# KiCad board Scan_Head_Set-Relay_board-19.01.2023_Copy.kicad_pcb (continued)
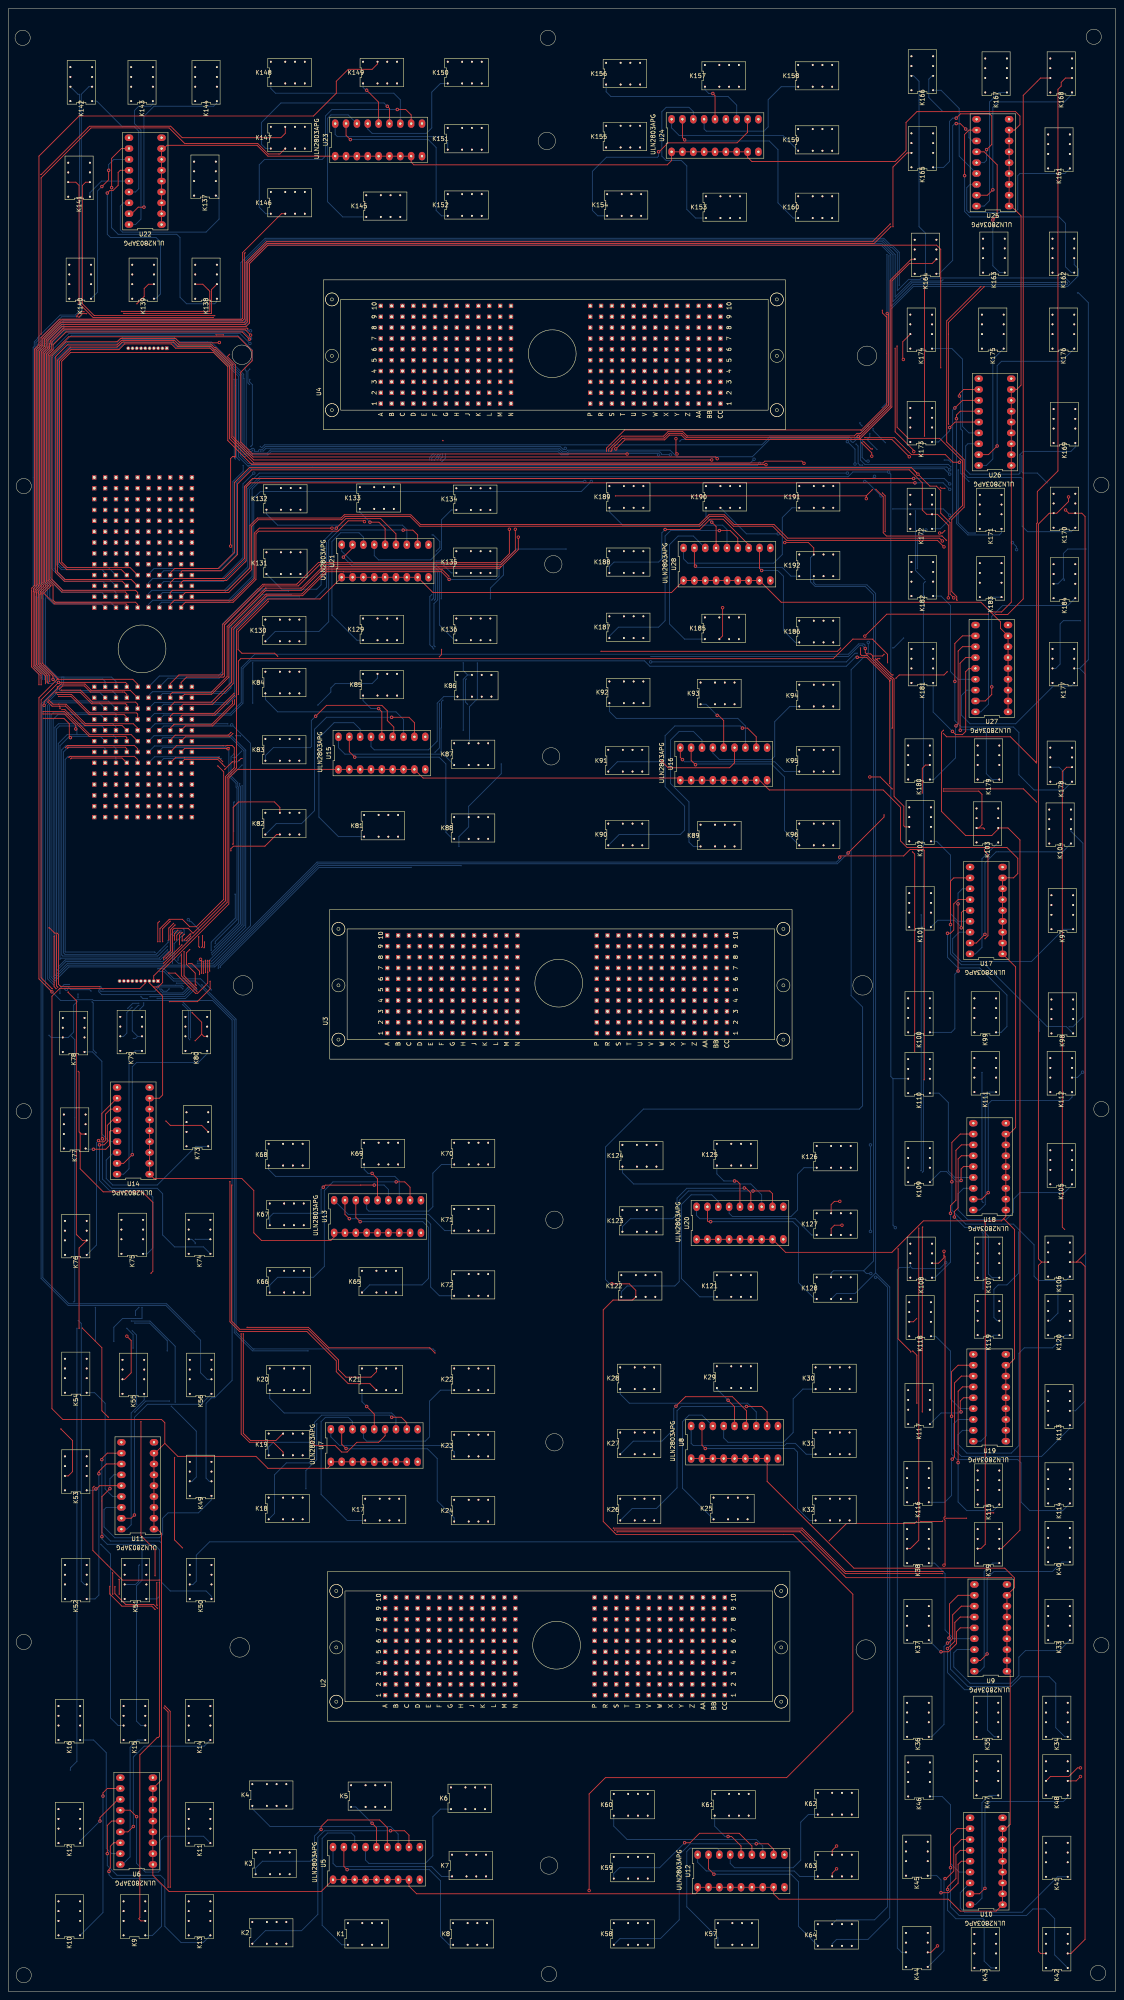
[diagram p0: board, top side]
## Nets
+12V: J1.5 J1.6 J1.7 J1.8 J1.9 J1.10 K1.A2 K2.A2 K3.A2 K4.A2 K5.A2 K6.A2 K7.A2 K8.A2 K9.A2 K10.A2 K11.A2 K12.A2 K13.A2 K14.A2 K15.A2 K16.A2 K17.A2 K18.A2 K19.A2 K20.A2 K21.A2 K22.A2 K23.A2 K24.A2 K25.A2 K26.A2 K27.A2 K28.A2 K29.A2 K30.A2 K31.A2 K32.A2 K33.A2 K34.A2 K35.A2 K36.A2 K37.A2 K38.A2 K39.A2 K40.A2 K41.A2 K42.A2 K43.A2 K44.A2 K45.A2 K46.A2 K47.A2 K48.A2 K49.A2 K50.A2 K51.A2 K52.A2 K53.A2 K54.A2 K55.A2 K56.A2 K57.A2 K58.A2 K59.A2 K60.A2 K61.A2 K62.A2 K63.A2 K64.A2 K65.A2 K66.A2 K67.A2 K68.A2 K69.A2 K70.A2 K71.A2 K72.A2 K73.A2 K74.A2 K75.A2 K76.A2 K77.A2 K78.A2 K79.A2 K80.A2 K81.A2 K82.A2 K83.A2 K84.A2 K85.A2 K86.A2 K87.A2 K88.A2 K89.A2 K90.A2 K91.A2 K92.A2 K93.A2 K94.A2 K95.A2 K96.A2 K97.A2 K98.A2 K99.A2 K100.A2 K101.A2 K102.A2 K103.A2 K104.A2 K105.A2 K106.A2 K107.A2 K108.A2 K109.A2 K110.A2 K111.A2 K112.A2 K113.A2 K114.A2 K115.A2 K116.A2 K117.A2 K118.A2 K119.A2 K120.A2 K121.A2 K122.A2 K123.A2 K124.A2 K125.A2 K126.A2 K127.A2 K128.A2 K129.A2 K130.A2 K131.A2 K132.A2 K133.A2 K134.A2 K135.A2 K136.A2 K137.A2 K138.A2 K139.A2 K140.A2 K141.A2 K142.A2 K143.A2 K144.A2 K145.A2 K146.A2 K147.A2 K148.A2 K149.A2 K150.A2 K151.A2 K152.A2 K153.A2 K154.A2 K155.A2 K156.A2 K157.A2 K158.A2 K159.A2 K160.A2 K161.A2 K162.A2 K163.A2 K164.A2 K165.A2 K166.A2 K167.A2 K168.A2 K169.A2 K170.A2 K171.A2 K172.A2 K173.A2 K174.A2 K175.A2 K176.A2 K177.A2 K178.A2 K179.A2 K180.A2 K181.A2 K182.A2 K183.A2 K184.A2 K185.A2 K186.A2 K187.A2 K188.A2 K189.A2 K190.A2 K191.A2 K192.A2 U5.10 U6.10 U7.10 U8.10 U9.10 U10.10 U11.10 U12.10 U13.10 U14.10 U15.10 U16.10 U17.10 U18.10 U19.10 U20.10 U21.10 U22.10 U23.10 U24.10 U25.10 U26.10 U27.10 U28.10
AGND: J2.6 J2.7 J2.8 J2.9 J2.10 K1.12 K1.22 K2.12 K2.22 K3.12 K3.22 K4.12 K4.22 K5.12 K5.22 K6.12 K6.22 K7.12 K7.22 K8.12 K8.22 K9.12 K9.22 K10.12 K10.22 K11.12 K11.22 K12.12 K12.22 K13.12 K13.22 K14.12 K14.22 K15.12 K15.22 K16.12 K16.22 K17.12 K17.22 K18.12 K18.22 K19.12 K19.22 K20.12 K20.22 K21.12 K21.22 K22.12 K22.22 K23.12 K23.22 K24.12 K24.22 K25.12 K25.22 K26.12 K26.22 K27.12 K27.22 K28.12 K28.22 K29.12 K29.22 K30.12 K30.22 K31.12 K31.22 K32.12 K32.22 K33.12 K33.22 K34.12 K34.22 K35.12 K35.22 K36.12 K36.22 K37.12 K37.22 K38.12 K38.22 K39.12 K39.22 K40.12 K40.22 K41.12 K41.22 K42.12 K42.22 K43.12 K43.22 K44.12 K44.22 K45.12 K45.22 K46.12 K46.22 K47.12 K47.22 K48.12 K48.22 K49.12 K49.22 K50.12 K50.22 K51.12 K51.22 K52.12 K52.22 K53.12 K53.22 K54.12 K54.22 K55.12 K55.22 K56.12 K56.22 K57.12 K57.22 K58.12 K58.22 K59.12 K59.22 K60.12 K60.22 K61.12 K61.22 K62.12 K62.22 K63.12 K63.22 K64.12 K64.22 K65.12 K65.22 K66.12 K66.22 K67.12 K67.22 K68.12 K68.22 K69.12 K69.22 K70.12 K70.22 K71.12 K71.22 K72.12 K72.22 K73.12 K73.22 K74.12 K74.22 K75.12 K75.22 K76.12 K76.22 K77.12 K77.22 K78.12 K78.22 K79.12 K79.22 K80.12 K80.22 K81.12 K81.22 K82.12 K82.22 K83.12 K83.22 K84.12 K84.22 K85.12 K85.22 K86.12 K86.22 K87.12 K87.22 K88.12 K88.22 K89.12 K89.22 K90.12 K90.22 K91.12 K91.22 K92.12 K92.22 K93.12 K93.22 K94.12 K94.22 K95.12 K95.22 K96.12 K96.22 K97.12 K97.22 K98.12 K98.22 K99.12 K99.22 K100.12 K100.22 K101.12 K101.22 K102.12 K102.22 K103.12 K103.22 K104.12 K104.22 K105.12 K105.22 K106.12 K106.22 K107.12 K107.22 K108.12 K108.22 K109.12 K109.22 K110.12 K110.22 K111.12 K111.22 K112.12 K112.22 K113.12 K113.22 K114.12 K114.22 K115.12 K115.22 K116.12 K116.22 K117.12 K117.22 K118.12 K118.22 K119.12 K119.22 K120.12 K120.22 K121.12 K121.22 K122.12 K122.22 K123.12 K123.22 K124.12 K124.22 K125.12 K125.22 K126.12 K126.22 K127.12 K127.22 K128.12 K128.22 K129.12 K129.22 K130.12 K130.22 K131.12 K131.22 K132.12 K132.22 K133.12 K133.22 K134.12 K134.22 K135.12 K135.22 K136.12 K136.22 K137.12 K137.22 K138.12 K138.22 K139.12 K139.22 K140.12 K140.22 K141.12 K141.22 K142.12 K142.22 K143.12 K143.22 K144.12 K144.22 K145.12 K145.22 K146.12 K146.22 K147.12 K147.22 K148.12 K148.22 K149.12 K149.22 K150.12 K150.22 K151.12 K151.22 K152.12 K152.22 K153.12 K153.22 K154.12 K154.22 K155.12 K155.22 K156.12 K156.22 K157.12 K157.22 K158.12 K158.22 K159.12 K159.22 K160.12 K160.22 K161.12 K161.22 K162.12 K162.22 K163.12 K163.22 K164.12 K164.22 K165.12 K165.22 K166.12 K166.22 K167.12 K167.22 K168.12 K168.22 K169.12 K169.22 K170.12 K170.22 K171.12 K171.22 K172.12 K172.22 K173.12 K173.22 K174.12 K174.22 K175.12 K175.22 K176.12 K176.22 K177.12 K177.22 K178.12 K178.22 K179.12 K179.22 K180.12 K180.22 K181.12 K181.22 K182.12 K182.22 K183.12 K183.22 K184.12 K184.22 K185.12 K185.22 K186.12 K186.22 K187.12 K187.22 K188.12 K188.22 K189.12 K189.22 K190.12 K190.22 K191.12 K191.22 K192.12 K192.22 U1.A1 U1.A2 U1.A8 U1.A9 U1.A10 U1.AA1 U1.AA10 U1.B1 U1.B10 U1.BB1 U1.BB10 U1.C1 U1.C10 U1.CC1 U1.CC2 U1.CC3 U1.CC8 U1.CC9 U1.CC10 U1.D1 U1.D10 U1.E1 U1.E10 U1.F1 U1.F10 U1.G1 U1.G10 U1.H1 U1.H10 U1.J1 U1.J10 U1.K1 U1.K10 U1.L1 U1.L10 U1.M1 U1.M10 U1.N1 U1.N10 U1.P1 U1.P10 U1.R1 U1.R10 U1.S1 U1.S10 U1.T1 U1.T10 U1.U1 U1.U10 U1.V1 U1.V10 U1.W1 U1.W10 U1.X1 U1.X10 U1.Y1 U1.Y10 U1.Z1 U1.Z10 U2.A1 U2.A2 U2.A8 U2.A9 U2.A10 U2.AA1 U2.AA10 U2.B1 U2.B10 U2.BB1 U2.BB10 U2.C1 U2.C10 U2.CC1 U2.CC2 U2.CC3 U2.CC8 U2.CC9 U2.CC10 U2.D1 U2.D10 U2.E1 U2.E10 U2.F1 U2.F10 U2.G1 U2.G10 U2.H1 U2.H10 U2.J1 U2.J10 U2.K1 U2.K10 U2.L1 U2.L10 U2.M1 U2.M10 U2.N1 U2.N10 U2.P1 U2.P10 U2.R1 U2.R10 U2.S1 U2.S10 U2.T1 U2.T10 U2.U1 U2.U10 U2.V1 U2.V10 U2.W1 U2.W10 U2.X1 U2.X10 U2.Y1 U2.Y10 U2.Z1 U2.Z10 U3.A1 U3.A2 U3.A8 U3.A9 U3.A10 U3.AA1 U3.AA10 U3.B1 U3.B10 U3.BB1 U3.BB10 U3.C1 U3.C10 U3.CC1 U3.CC2 U3.CC3 U3.CC8 U3.CC9 U3.CC10 U3.D1 U3.D10 U3.E1 U3.E10 U3.F1 U3.F10 U3.G1 U3.G10 U3.H1 U3.H10 U3.J1 U3.J10 U3.K1 U3.K10 U3.L1 U3.L10 U3.M1 U3.M10 U3.N1 U3.N10 U3.P1 U3.P10 U3.R1 U3.R10 U3.S1 U3.S10 U3.T1 U3.T10 U3.U1 U3.U10 U3.V1 U3.V10 U3.W1 U3.W10 U3.X1 U3.X10 U3.Y1 U3.Y10 U3.Z1 U3.Z10 U4.A1 U4.A2 U4.A8 U4.A9 U4.A10 U4.AA1 U4.AA10 U4.B1 U4.B10 U4.BB1 U4.BB10 U4.C1 U4.C10 U4.CC1 U4.CC2 U4.CC3 U4.CC8 U4.CC9 U4.CC10 U4.D1 U4.D10 U4.E1 U4.E10 U4.F1 U4.F10 U4.G1 U4.G10 U4.H1 U4.H10 U4.J1 U4.J10 U4.K1 U4.K10 U4.L1 U4.L10 U4.M1 U4.M10 U4.N1 U4.N10 U4.P1 U4.P10 U4.R1 U4.R10 U4.S1 U4.S10 U4.T1 U4.T10 U4.U1 U4.U10 U4.V1 U4.V10 U4.W1 U4.W10 U4.X1 U4.X10 U4.Y1 U4.Y10 U4.Z1 U4.Z10
DGND: J2.1 J2.2 J2.3 J2.4 J2.5 U5.9 U6.9 U7.9 U8.9 U9.9 U10.9 U11.9 U12.9 U13.9 U14.9 U15.9 U16.9 U17.9 U18.9 U19.9 U20.9 U21.9 U22.9 U23.9 U24.9 U25.9 U26.9 U27.9 U28.9
IO1: K15.11 K79.11 K143.11 U1.U5
IO1-1: K15.14 U2.U5
IO1-2: K79.14 U3.U5
IO1-3: K143.14 U4.U5
IO2: K15.21 K79.21 K143.21 U1.U4
IO2-1: K15.24 U2.U4
IO2-2: K79.24 U3.U4
IO2-3: K143.24 U4.U4
IO3: K16.11 K80.11 K144.11 U1.U3
IO3-1: K16.14 U2.U3
IO3-2: K80.14 U3.U3
IO3-3: K144.14 U4.U3
IO4: K16.21 K80.21 K144.21 U1.U2
IO4-1: K16.24 U2.U2
IO4-2: K80.24 U3.U2
IO4-3: K144.24 U4.U2
IO5: K9.11 K73.11 K137.11 U1.V2
IO5-1: K9.14 U2.V2
IO5-2: K73.14 U3.V2
IO5-3: K137.14 U4.V2
IO6: K9.21 K73.21 K137.21 U1.V3
IO6-1: K9.24 U2.V3
IO6-2: K73.24 U3.V3
IO6-3: K137.24 U4.V3
IO7: K14.11 K78.11 K142.11 U1.V4
IO7-1: K14.14 U2.V4
IO7-2: K78.14 U3.V4
IO7-3: K142.14 U4.V4
IO8: K14.21 K78.21 K142.21 U1.V5
IO8-1: K14.24 U2.V5
IO8-2: K78.24 U3.V5
IO8-3: K142.24 U4.V5
IO9: K13.11 K77.11 K141.11 U1.W5
IO9-1: K13.14 U2.W5
IO9-2: K77.14 U3.W5
IO9-3: K141.14 U4.W5
IO10: K13.21 K77.21 K141.21 U1.W4
IO10-1: K13.24 U2.W4
IO10-2: K77.24 U3.W4
IO10-3: K141.24 U4.W4
IO11: K11.11 K75.11 K139.11 U1.W3
IO11-1: K11.14 U2.W3
IO11-2: K75.14 U3.W3
IO11-3: K139.14 U4.W3
IO12: K11.21 K75.21 K139.21 U1.W2
IO12-1: K11.24 U2.W2
IO12-2: K75.24 U3.W2
IO12-3: K139.24 U4.W2
IO13: K12.11 K76.11 K140.11 U1.X2
IO13-1: K12.14 U2.X2
IO13-2: K76.14 U3.X2
IO13-3: K140.14 U4.X2
IO14: K12.21 K76.21 K140.21 U1.X3
IO14-1: K12.24 U2.X3
IO14-2: K76.24 U3.X3
IO14-3: K140.24 U4.X3
IO15: K10.11 K74.11 K138.11 U1.X4
IO15-1: K10.14 U2.X4
IO15-2: K74.14 U3.X4
IO15-3: K138.14 U4.X4
IO16: K10.21 K74.21 K138.21 U1.X5
IO16-1: K10.24 U2.X5
IO16-2: K74.24 U3.X5
IO16-3: K138.24 U4.X5
IO17: K7.11 K71.11 K135.11 U1.Y5
IO17-1: K7.14 U2.Y5
IO17-2: K71.14 U3.Y5
IO17-3: K135.14 U4.Y5
IO18: K7.21 K71.21 K135.21 U1.Y4
IO18-1: K7.24 U2.Y4
IO18-2: K71.24 U3.Y4
IO18-3: K135.24 U4.Y4
IO19: K8.11 K72.11 K136.11 U1.Y3
IO19-1: K8.14 U2.Y3
IO19-2: K72.14 U3.Y3
IO19-3: K136.14 U4.Y3
IO20: K8.21 K72.21 K136.21 U1.Y2
IO20-1: K8.24 U2.Y2
IO20-2: K72.24 U3.Y2
IO20-3: K136.24 U4.Y2
IO21: K1.11 K65.11 K129.11 U1.Z2
IO21-1: K1.14 U2.Z2
IO21-2: K65.14 U3.Z2
IO21-3: K129.14 U4.Z2
IO22: K1.21 K65.21 K129.21 U1.Z3
IO22-1: K1.24 U2.Z3
IO22-2: K65.24 U3.Z3
IO22-3: K129.24 U4.Z3
IO23: K6.11 K70.11 K134.11 U1.Z4
IO23-1: K6.14 U2.Z4
IO23-2: K70.14 U3.Z4
IO23-3: K134.14 U4.Z4
IO24: K6.21 K70.21 K134.21 U1.Z5
IO24-1: K6.24 U2.Z5
IO24-2: K70.24 U3.Z5
IO24-3: K134.24 U4.Z5
IO25: K5.11 K69.11 K133.11 U1.AA5
IO25-1: K5.14 U2.AA5
IO25-2: K69.14 U3.AA5
IO25-3: K133.14 U4.AA5
IO26: K5.21 K69.21 K133.21 U1.AA4
IO26-1: K5.24 U2.AA4
IO26-2: K69.24 U3.AA4
IO26-3: K133.24 U4.AA4
IO27: K3.11 K67.11 K131.11 U1.AA3
IO27-1: K3.14 U2.AA3
IO27-2: K67.14 U3.AA3
IO27-3: K131.14 U4.AA3
IO28: K3.21 K67.21 K131.21 U1.AA2
IO28-1: K3.24 U2.AA2
IO28-2: K67.24 U3.AA2
IO28-3: K131.24 U4.AA2
IO29: K4.11 K68.11 K132.11 U1.BB2
IO29-1: K4.14 U2.BB2
IO29-2: K68.14 U3.BB2
IO29-3: K132.14 U4.BB2
IO30: K4.21 K68.21 K132.21 U1.BB3
IO30-1: K4.24 U2.BB3
IO30-2: K68.24 U3.BB3
IO30-3: K132.24 U4.BB3
IO31: K2.11 K66.11 K130.11 U1.BB4
IO31-1: K2.14 U2.BB4
IO31-2: K66.14 U3.BB4
IO31-3: K130.14 U4.BB4
IO32: K2.21 K66.21 K130.21 U1.BB5
IO32-1: K2.24 U2.BB5
IO32-2: K66.24 U3.BB5
IO32-3: K130.24 U4.BB5
IO33: K31.11 K95.11 K159.11 U1.BB6
IO33-1: K31.14 U2.BB6
IO33-2: K95.14 U3.BB6
IO33-3: K159.14 U4.BB6
IO34: K31.21 K95.21 K159.21 U1.BB7
IO34-1: K31.24 U2.BB7
IO34-2: K95.24 U3.BB7
IO34-3: K159.24 U4.BB7
IO35: K32.11 K96.11 K160.11 U1.BB8
IO35-1: K32.14 U2.BB8
IO35-2: K96.14 U3.BB8
IO35-3: K160.14 U4.BB8
IO36: K32.21 K96.21 K160.21 U1.BB9
IO36-1: K32.24 U2.BB9
IO36-2: K96.24 U3.BB9
IO36-3: K160.24 U4.BB9
IO37: K25.11 K89.11 K153.11 U1.AA9
IO37-1: K25.14 U2.AA9
IO37-2: K89.14 U3.AA9
IO37-3: K153.14 U4.AA9
IO38: K25.21 K89.21 K153.21 U1.AA8
IO38-1: K25.24 U2.AA8
IO38-2: K89.24 U3.AA8
IO38-3: K153.24 U4.AA8
IO39: K30.11 K94.11 K158.11 U1.AA7
IO39-1: K30.14 U2.AA7
IO39-2: K94.14 U3.AA7
IO39-3: K158.14 U4.AA7
IO40: K30.21 K94.21 K158.21 U1.AA6
IO40-1: K30.24 U2.AA6
IO40-2: K94.24 U3.AA6
IO40-3: K158.24 U4.AA6
IO41: K29.11 K93.11 K157.11 U1.Z6
IO41-1: K29.14 U2.Z6
IO41-2: K93.14 U3.Z6
IO41-3: K157.14 U4.Z6
IO42: K29.21 K93.21 K157.21 U1.Z7
IO42-1: K29.24 U2.Z7
IO42-2: K93.24 U3.Z7
IO42-3: K157.24 U4.Z7
IO43: K27.11 K91.11 K155.11 U1.Z8
IO43-1: K27.14 U2.Z8
IO43-2: K91.14 U3.Z8
IO43-3: K155.14 U4.Z8
IO44: K27.21 K91.21 K155.21 U1.Z9
IO44-1: K27.24 U2.Z9
IO44-2: K91.24 U3.Z9
IO44-3: K155.24 U4.Z9
IO45: K28.11 K92.11 K156.11 U1.Y9
IO45-1: K28.14 U2.Y9
IO45-2: K92.14 U3.Y9
IO45-3: K156.14 U4.Y9
IO46: K28.21 K92.21 K156.21 U1.Y8
IO46-1: K28.24 U2.Y8
IO46-2: K92.24 U3.Y8
IO46-3: K156.24 U4.Y8
IO47: K26.11 K90.11 K154.11 U1.Y7
IO47-1: K26.14 U2.Y7
IO47-2: K90.14 U3.Y7
IO47-3: K154.14 U4.Y7
IO48: K26.21 K90.21 K154.21 U1.Y6
IO48-1: K26.24 U2.Y6
IO48-2: K90.24 U3.Y6
IO48-3: K154.24 U4.Y6
IO49: K23.11 K87.11 K151.11 U1.X6
IO49-1: K23.14 U2.X6
IO49-2: K87.14 U3.X6
IO49-3: K151.14 U4.X6
IO50: K23.21 K87.21 K151.21 U1.X7
IO50-1: K23.24 U2.X7
IO50-2: K87.24 U3.X7
IO50-3: K151.24 U4.X7
IO51: K24.11 K88.11 K152.11 U1.X8
IO51-1: K24.14 U2.X8
IO51-2: K88.14 U3.X8
IO51-3: K152.14 U4.X8
IO52: K24.21 K88.21 K152.21 U1.X9
IO52-1: K24.24 U2.X9
IO52-2: K88.24 U3.X9
IO52-3: K152.24 U4.X9
IO53: K17.11 K81.11 K145.11 U1.W9
IO53-1: K17.14 U2.W9
IO53-2: K81.14 U3.W9
IO53-3: K145.14 U4.W9
IO54: K17.21 K81.21 K145.21 U1.W8
IO54-1: K17.24 U2.W8
IO54-2: K81.24 U3.W8
IO54-3: K145.24 U4.W8
IO55: K22.11 K86.11 K150.11 U1.W7
IO55-1: K22.14 U2.W7
IO55-2: K86.14 U3.W7
IO55-3: K150.14 U4.W7
IO56: K22.21 K86.21 K150.21 U1.W6
IO56-1: K22.24 U2.W6
IO56-2: K86.24 U3.W6
IO56-3: K150.24 U4.W6
IO57: K21.11 K85.11 K149.11 U1.V6
IO57-1: K21.14 U2.V6
IO57-2: K85.14 U3.V6
IO57-3: K149.14 U4.V6
IO58: K21.21 K85.21 K149.21 U1.V7
IO58-1: K21.24 U2.V7
IO58-2: K85.24 U3.V7
IO58-3: K149.24 U4.V7
IO59: K19.11 K83.11 K147.11 U1.V8
IO59-1: K19.14 U2.V8
IO59-2: K83.14 U3.V8
IO59-3: K147.14 U4.V8
IO60: K19.21 K83.21 K147.21 U1.V9
IO60-1: K19.24 U2.V9
IO60-2: K83.24 U3.V9
IO60-3: K147.24 U4.V9
IO61: K20.11 K84.11 K148.11 U1.U9
IO61-1: K20.14 U2.U9
IO61-2: K84.14 U3.U9
IO61-3: K148.14 U4.U9
IO62: K20.21 K84.21 K148.21 U1.U8
IO62-1: K20.24 U2.U8
IO62-2: K84.24 U3.U8
IO62-3: K148.24 U4.U8
IO63: K18.11 K82.11 K146.11 U1.U7
IO63-1: K18.14 U2.U7
IO63-2: K82.14 U3.U7
IO63-3: K146.14 U4.U7
IO64: K18.21 K82.21 K146.21 U1.U6
IO64-1: K18.24 U2.U6
IO64-2: K82.24 U3.U6
IO64-3: K146.24 U4.U6
IO65: K39.11 K103.11 K167.11 U1.T5
IO65-1: K39.14 U2.T5
IO65-2: K103.14 U3.T5
IO65-3: K167.14 U4.T5
IO66: K39.21 K103.21 K167.21 U1.T4
IO66-1: K39.24 U2.T4
IO66-2: K103.24 U3.T4
IO66-3: K167.24 U4.T4
IO67: K40.11 K104.11 K168.11 U1.T3
IO67-1: K40.14 U2.T3
IO67-2: K104.14 U3.T3
IO67-3: K168.14 U4.T3
IO68: K40.21 K104.21 K168.21 U1.T2
IO68-1: K40.24 U2.T2
IO68-2: K104.24 U3.T2
IO68-3: K168.24 U4.T2
IO69: K33.11 K97.11 K161.11 U1.S2
IO69-1: K33.14 U2.S2
IO69-2: K97.14 U3.S2
IO69-3: K161.14 U4.S2
IO70: K33.21 K97.21 K161.21 U1.S3
IO70-1: K33.24 U2.S3
IO70-2: K97.24 U3.S3
IO70-3: K161.24 U4.S3
IO71: K38.11 K102.11 K166.11 U1.S4
IO71-1: K38.14 U2.S4
IO71-2: K102.14 U3.S4
IO71-3: K166.14 U4.S4
IO72: K38.21 K102.21 K166.21 U1.S5
IO72-1: K38.24 U2.S5
IO72-2: K102.24 U3.S5
IO72-3: K166.24 U4.S5
IO73: K37.11 K101.11 K165.11 U1.R5
IO73-1: K37.14 U2.R5
IO73-2: K101.14 U3.R5
IO73-3: K165.14 U4.R5
IO74: K37.21 K101.21 K165.21 U1.R4
IO74-1: K37.24 U2.R4
IO74-2: K101.24 U3.R4
IO74-3: K165.24 U4.R4
IO75: K35.11 K99.11 K163.11 U1.R3
IO75-1: K35.14 U2.R3
IO75-2: K99.14 U3.R3
IO75-3: K163.14 U4.R3
IO76: K35.21 K99.21 K163.21 U1.R2
IO76-1: K35.24 U2.R2
IO76-2: K99.24 U3.R2
IO76-3: K163.24 U4.R2
IO77: K36.11 K100.11 K164.11 U1.P2
IO77-1: K36.14 U2.P2
IO77-2: K100.14 U3.P2
IO77-3: K164.14 U4.P2
IO78: K36.21 K100.21 K164.21 U1.P3
IO78-1: K36.24 U2.P3
IO78-2: K100.24 U3.P3
IO78-3: K164.24 U4.P3
IO79: K34.11 K98.11 K162.11 U1.P4
IO79-1: K34.14 U2.P4
IO79-2: K98.14 U3.P4
IO79-3: K162.14 U4.P4
IO80: K34.21 K98.21 K162.21 U1.P5
IO80-1: K34.24 U2.P5
IO80-2: K98.24 U3.P5
IO80-3: K162.24 U4.P5
IO81: K47.11 K111.11 K175.11 U1.N5
IO81-1: K47.14 U2.N5
IO81-2: K111.14 U3.N5
IO81-3: K175.14 U4.N5
IO82: K47.21 K111.21 K175.21 U1.N4
IO82-1: K47.24 U2.N4
IO82-2: K111.24 U3.N4
IO82-3: K175.24 U4.N4
IO83: K48.11 K112.11 K176.11 U1.N3
IO83-1: K48.14 U2.N3
IO83-2: K112.14 U3.N3
IO83-3: K176.14 U4.N3
IO84: K48.21 K112.21 K176.21 U1.N2
IO84-1: K48.24 U2.N2
IO84-2: K112.24 U3.N2
IO84-3: K176.24 U4.N2
IO85: K41.11 K105.11 K169.11 U1.M2
IO85-1: K41.14 U2.M2
IO85-2: K105.14 U3.M2
IO85-3: K169.14 U4.M2
IO86: K41.21 K105.21 K169.21 U1.M3
IO86-1: K41.24 U2.M3
IO86-2: K105.24 U3.M3
IO86-3: K169.24 U4.M3
IO87: K46.11 K110.11 K174.11 U1.M4
IO87-1: K46.14 U2.M4
IO87-2: K110.14 U3.M4
IO87-3: K174.14 U4.M4
IO88: K46.21 K110.21 K174.21 U1.M5
IO88-1: K46.24 U2.M5
IO88-2: K110.24 U3.M5
IO88-3: K174.24 U4.M5
IO89: K45.11 K109.11 K173.11 U1.L5
IO89-1: K45.14 U2.L5
IO89-2: K109.14 U3.L5
IO89-3: K173.14 U4.L5
IO90: K45.21 K109.21 K173.21 U1.L4
IO90-1: K45.24 U2.L4
IO90-2: K109.24 U3.L4
IO90-3: K173.24 U4.L4
IO91: K43.11 K107.11 K171.11 U1.L3
IO91-1: K43.14 U2.L3
IO91-2: K107.14 U3.L3
IO91-3: K171.14 U4.L3
IO92: K43.21 K107.21 K171.21 U1.L2
IO92-1: K43.24 U2.L2
IO92-2: K107.24 U3.L2
IO92-3: K171.24 U4.L2
IO93: K44.11 K108.11 K172.11 U1.K2
IO93-1: K44.14 U2.K2
IO93-2: K108.14 U3.K2
IO93-3: K172.14 U4.K2
IO94: K44.21 K108.21 K172.21 U1.K3
IO94-1: K44.24 U2.K3
IO94-2: K108.24 U3.K3
IO94-3: K172.24 U4.K3
IO95: K42.11 K106.11 K170.11 U1.K4
IO95-1: K42.14 U2.K4
IO95-2: K106.14 U3.K4
IO95-3: K170.14 U4.K4
IO96: K42.21 K106.21 K170.21 U1.K5
IO96-1: K42.24 U2.K5
IO96-2: K106.24 U3.K5
IO96-3: K170.24 U4.K5
IO97: K63.11 K127.11 K191.11 U1.K6
IO97-1: K63.14 U2.K6
IO97-2: K127.14 U3.K6
IO97-3: K191.14 U4.K6
IO98: K63.21 K127.21 K191.21 U1.K7
IO98-1: K63.24 U2.K7
IO98-2: K127.24 U3.K7
IO98-3: K191.24 U4.K7
IO99: K64.11 K128.11 K192.11 U1.K8
IO99-1: K64.14 U2.K8
IO99-2: K128.14 U3.K8
IO99-3: K192.14 U4.K8
IO100: K64.21 K128.21 K192.21 U1.K9
IO100-1: K64.24 U2.K9
IO100-2: K128.24 U3.K9
IO100-3: K192.24 U4.K9
IO101: K57.11 K121.11 K185.11 U1.L9
IO101-1: K57.14 U2.L9
IO101-2: K121.14 U3.L9
IO101-3: K185.14 U4.L9
IO102: K57.21 K121.21 K185.21 U1.L8
IO102-1: K57.24 U2.L8
IO102-2: K121.24 U3.L8
IO102-3: K185.24 U4.L8
IO103: K62.11 K126.11 K190.11 U1.L7
IO103-1: K62.14 U2.L7
IO103-2: K126.14 U3.L7
IO103-3: K190.14 U4.L7
IO104: K62.21 K126.21 K190.21 U1.L6
IO104-1: K62.24 U2.L6
IO104-2: K126.24 U3.L6
IO104-3: K190.24 U4.L6
IO105: K61.11 K125.11 K189.11 U1.M6
IO105-1: K61.14 U2.M6
IO105-2: K125.14 U3.M6
IO105-3: K189.14 U4.M6
IO106: K61.21 K125.21 K189.21 U1.M7
IO106-1: K61.24 U2.M7
IO106-2: K125.24 U3.M7
IO106-3: K189.24 U4.M7
IO107: K59.11 K123.11 K187.11 U1.M8
IO107-1: K59.14 U2.M8
IO107-2: K123.14 U3.M8
IO107-3: K187.14 U4.M8
IO108: K59.21 K123.21 K187.21 U1.M9
IO108-1: K59.24 U2.M9
IO108-2: K123.24 U3.M9
IO108-3: K187.24 U4.M9
IO109: K60.11 K124.11 K188.11 U1.N9
IO109-1: K60.14 U2.N9
IO109-2: K124.14 U3.N9
IO109-3: K188.14 U4.N9
IO110: K60.21 K124.21 K188.21 U1.N8
IO110-1: K60.24 U2.N8
IO110-2: K124.24 U3.N8
IO110-3: K188.24 U4.N8
IO111: K58.11 K122.11 K186.11 U1.N7
IO111-1: K58.14 U2.N7
IO111-2: K122.14 U3.N7
IO111-3: K186.14 U4.N7
IO112: K58.21 K122.21 K186.21 U1.N6
IO112-1: K58.24 U2.N6
IO112-2: K122.24 U3.N6
IO112-3: K186.24 U4.N6
IO113: K55.11 K119.11 K183.11 U1.P6
IO113-1: K55.14 U2.P6
IO113-2: K119.14 U3.P6
IO113-3: K183.14 U4.P6
IO114: K55.21 K119.21 K183.21 U1.P7
IO114-1: K55.24 U2.P7
IO114-2: K119.24 U3.P7
IO114-3: K183.24 U4.P7
IO115: K56.11 K120.11 K184.11 U1.P8
IO115-1: K56.14 U2.P8
IO115-2: K120.14 U3.P8
IO115-3: K184.14 U4.P8
IO116: K56.21 K120.21 K184.21 U1.P9
IO116-1: K56.24 U2.P9
IO116-2: K120.24 U3.P9
IO116-3: K184.24 U4.P9
IO117: K49.11 K113.11 K177.11 U1.R9
IO117-1: K49.14 U2.R9
IO117-2: K113.14 U3.R9
IO117-3: K177.14 U4.R9
IO118: K49.21 K113.21 K177.21 U1.R8
IO118-1: K49.24 U2.R8
IO118-2: K113.24 U3.R8
IO118-3: K177.24 U4.R8
IO119: K54.11 K118.11 K182.11 U1.R7
IO119-1: K54.14 U2.R7
IO119-2: K118.14 U3.R7
IO119-3: K182.14 U4.R7
IO120: K54.21 K118.21 K182.21 U1.R6
IO120-1: K54.24 U2.R6
IO120-2: K118.24 U3.R6
IO120-3: K182.24 U4.R6
IO121: K53.11 K117.11 K181.11 U1.S6
IO121-1: K53.14 U2.S6
IO121-2: K117.14 U3.S6
IO121-3: K181.14 U4.S6
IO122: K53.21 K117.21 K181.21 U1.S7
IO122-1: K53.24 U2.S7
IO122-2: K117.24 U3.S7
IO122-3: K181.24 U4.S7
IO123: K51.11 K115.11 K179.11 U1.S8
IO123-1: K51.14 U2.S8
IO123-2: K115.14 U3.S8
IO123-3: K179.14 U4.S8
IO124: K51.21 K115.21 K179.21 U1.S9
IO124-1: K51.24 U2.S9
IO124-2: K115.24 U3.S9
IO124-3: K179.24 U4.S9
IO125: K52.11 K116.11 K180.11 U1.T9
IO125-1: K52.14 U2.T9
IO125-2: K116.14 U3.T9
IO125-3: K180.14 U4.T9
IO126: K52.21 K116.21 K180.21 U1.T8
IO126-1: K52.24 U2.T8
IO126-2: K116.24 U3.T8
IO126-3: K180.24 U4.T8
IO127: K50.11 K114.11 K178.11 U1.T7
IO127-1: K50.14 U2.T7
IO127-2: K114.14 U3.T7
IO127-3: K178.14 U4.T7
IO128: K50.21 K114.21 K178.21 U1.T6
IO128-1: K50.24 U2.T6
IO128-2: K114.24 U3.T6
IO128-3: K178.24 U4.T6
SH1SELECT: J1.4 U5.1 U5.2 U5.3 U5.4 U5.5 U5.6 U5.7 U5.8 U6.1 U6.2 U6.3 U6.4 U6.5 U6.6 U6.7 U6.8 U7.1 U7.2 U7.3 U7.4 U7.5 U7.6 U7.7 U7.8 U8.1 U8.2 U8.3 U8.4 U8.5 U8.6 U8.7 U8.8 U9.1 U9.2 U9.3 U9.4 U9.5 U9.6 U9.7 U9.8 U10.1 U10.2 U10.3 U10.4 U10.5 U10.6 U10.7 U10.8 U11.1 U11.2 U11.3 U11.4 U11.5 U11.6 U11.7 U11.8 U12.1 U12.2 U12.3 U12.4 U12.5 U12.6 U12.7 U12.8
SH2SELECT: J1.3 U13.1 U13.2 U13.3 U13.4 U13.5 U13.6 U13.7 U13.8 U14.1 U14.2 U14.3 U14.4 U14.5 U14.6 U14.7 U14.8 U15.1 U15.2 U15.3 U15.4 U15.5 U15.6 U15.7 U15.8 U16.1 U16.2 U16.3 U16.4 U16.5 U16.6 U16.7 U16.8 U17.1 U17.2 U17.3 U17.4 U17.5 U17.6 U17.7 U17.8 U18.1 U18.2 U18.3 U18.4 U18.5 U18.6 U18.7 U18.8 U19.1 U19.2 U19.3 U19.4 U19.5 U19.6 U19.7 U19.8 U20.1 U20.2 U20.3 U20.4 U20.5 U20.6 U20.7 U20.8
SH3SELECT: J1.2 U21.1 U21.2 U21.3 U21.4 U21.5 U21.6 U21.7 U21.8 U22.1 U22.2 U22.3 U22.4 U22.5 U22.6 U22.7 U22.8 U23.1 U23.2 U23.3 U23.4 U23.5 U23.6 U23.7 U23.8 U24.1 U24.2 U24.3 U24.4 U24.5 U24.6 U24.7 U24.8 U25.1 U25.2 U25.3 U25.4 U25.5 U25.6 U25.7 U25.8 U26.1 U26.2 U26.3 U26.4 U26.5 U26.6 U26.7 U26.8 U27.1 U27.2 U27.3 U27.4 U27.5 U27.6 U27.7 U27.8 U28.1 U28.2 U28.3 U28.4 U28.5 U28.6 U28.7 U28.8
Net-(K1-PadA1): K1.A1 U5.16
Net-(K2-PadA1): K2.A1 U5.11
Net-(K3-PadA1): K3.A1 U5.13
Net-(K4-PadA1): K4.A1 U5.12
Net-(K5-PadA1): K5.A1 U5.14
Net-(K6-PadA1): K6.A1 U5.15
Net-(K7-PadA1): K7.A1 U5.18
Net-(K8-PadA1): K8.A1 U5.17
Net-(K9-PadA1): K9.A1 U6.16
Net-(K10-PadA1): K10.A1 U6.11
Net-(K11-PadA1): K11.A1 U6.13
Net-(K12-PadA1): K12.A1 U6.12
Net-(K13-PadA1): K13.A1 U6.14
Net-(K14-PadA1): K14.A1 U6.15
Net-(K15-PadA1): K15.A1 U6.18
Net-(K16-PadA1): K16.A1 U6.17
Net-(K17-PadA1): K17.A1 U7.16
Net-(K18-PadA1): K18.A1 U7.11
Net-(K19-PadA1): K19.A1 U7.13
Net-(K20-PadA1): K20.A1 U7.12
Net-(K21-PadA1): K21.A1 U7.14
Net-(K22-PadA1): K22.A1 U7.15
Net-(K23-PadA1): K23.A1 U7.18
Net-(K24-PadA1): K24.A1 U7.17
Net-(K25-PadA1): K25.A1 U8.16
Net-(K26-PadA1): K26.A1 U8.11
Net-(K27-PadA1): K27.A1 U8.13
Net-(K28-PadA1): K28.A1 U8.12
Net-(K29-PadA1): K29.A1 U8.14
Net-(K30-PadA1): K30.A1 U8.15
Net-(K31-PadA1): K31.A1 U8.18
Net-(K32-PadA1): K32.A1 U8.17
Net-(K33-PadA1): K33.A1 U9.16
Net-(K34-PadA1): K34.A1 U9.11
Net-(K35-PadA1): K35.A1 U9.13
Net-(K36-PadA1): K36.A1 U9.12
Net-(K37-PadA1): K37.A1 U9.14
Net-(K38-PadA1): K38.A1 U9.15
Net-(K39-PadA1): K39.A1 U9.18
Net-(K40-PadA1): K40.A1 U9.17
Net-(K41-PadA1): K41.A1 U10.16
Net-(K42-PadA1): K42.A1 U10.11
Net-(K43-PadA1): K43.A1 U10.13
Net-(K44-PadA1): K44.A1 U10.12
Net-(K45-PadA1): K45.A1 U10.14
Net-(K46-PadA1): K46.A1 U10.15
Net-(K47-PadA1): K47.A1 U10.18
Net-(K48-PadA1): K48.A1 U10.17
Net-(K49-PadA1): K49.A1 U11.16
Net-(K50-PadA1): K50.A1 U11.11
Net-(K51-PadA1): K51.A1 U11.13
Net-(K52-PadA1): K52.A1 U11.12
Net-(K53-PadA1): K53.A1 U11.14
Net-(K54-PadA1): K54.A1 U11.15
Net-(K55-PadA1): K55.A1 U11.18
Net-(K56-PadA1): K56.A1 U11.17
Net-(K57-PadA1): K57.A1 U12.16
Net-(K58-PadA1): K58.A1 U12.11
Net-(K59-PadA1): K59.A1 U12.13
Net-(K60-PadA1): K60.A1 U12.12
Net-(K61-PadA1): K61.A1 U12.14
Net-(K62-PadA1): K62.A1 U12.15
Net-(K63-PadA1): K63.A1 U12.18
Net-(K64-PadA1): K64.A1 U12.17
Net-(K65-PadA1): K65.A1 U13.16
Net-(K66-PadA1): K66.A1 U13.11
Net-(K67-PadA1): K67.A1 U13.13
Net-(K68-PadA1): K68.A1 U13.12
Net-(K69-PadA1): K69.A1 U13.14
Net-(K70-PadA1): K70.A1 U13.15
Net-(K71-PadA1): K71.A1 U13.18
Net-(K72-PadA1): K72.A1 U13.17
Net-(K73-PadA1): K73.A1 U14.16
Net-(K74-PadA1): K74.A1 U14.11
Net-(K75-PadA1): K75.A1 U14.13
Net-(K76-PadA1): K76.A1 U14.12
Net-(K77-PadA1): K77.A1 U14.14
Net-(K78-PadA1): K78.A1 U14.15
Net-(K79-PadA1): K79.A1 U14.18
Net-(K80-PadA1): K80.A1 U14.17
Net-(K81-PadA1): K81.A1 U15.16
Net-(K82-PadA1): K82.A1 U15.11
Net-(K83-PadA1): K83.A1 U15.13
Net-(K84-PadA1): K84.A1 U15.12
Net-(K85-PadA1): K85.A1 U15.14
Net-(K86-PadA1): K86.A1 U15.15
Net-(K87-PadA1): K87.A1 U15.18
Net-(K88-PadA1): K88.A1 U15.17
Net-(K89-PadA1): K89.A1 U16.16
Net-(K90-PadA1): K90.A1 U16.11
Net-(K91-PadA1): K91.A1 U16.13
Net-(K92-PadA1): K92.A1 U16.12
Net-(K93-PadA1): K93.A1 U16.14
Net-(K94-PadA1): K94.A1 U16.15
Net-(K95-PadA1): K95.A1 U16.18
Net-(K96-PadA1): K96.A1 U16.17
Net-(K97-PadA1): K97.A1 U17.16
Net-(K98-PadA1): K98.A1 U17.11
Net-(K99-PadA1): K99.A1 U17.13
Net-(K100-PadA1): K100.A1 U17.12
Net-(K101-PadA1): K101.A1 U17.14
Net-(K102-PadA1): K102.A1 U17.15
Net-(K103-PadA1): K103.A1 U17.18
Net-(K104-PadA1): K104.A1 U17.17
Net-(K105-PadA1): K105.A1 U18.16
Net-(K106-PadA1): K106.A1 U18.11
Net-(K107-PadA1): K107.A1 U18.13
Net-(K108-PadA1): K108.A1 U18.12
Net-(K109-PadA1): K109.A1 U18.14
Net-(K110-PadA1): K110.A1 U18.15
Net-(K111-PadA1): K111.A1 U18.18
Net-(K112-PadA1): K112.A1 U18.17
Net-(K113-PadA1): K113.A1 U19.16
Net-(K114-PadA1): K114.A1 U19.11
Net-(K115-PadA1): K115.A1 U19.13
Net-(K116-PadA1): K116.A1 U19.12
Net-(K117-PadA1): K117.A1 U19.14
Net-(K118-PadA1): K118.A1 U19.15
Net-(K119-PadA1): K119.A1 U19.18
Net-(K120-PadA1): K120.A1 U19.17
Net-(K121-PadA1): K121.A1 U20.16
Net-(K122-PadA1): K122.A1 U20.11
Net-(K123-PadA1): K123.A1 U20.13
Net-(K124-PadA1): K124.A1 U20.12
Net-(K125-PadA1): K125.A1 U20.14
Net-(K126-PadA1): K126.A1 U20.15
Net-(K127-PadA1): K127.A1 U20.18
Net-(K128-PadA1): K128.A1 U20.17
Net-(K129-PadA1): K129.A1 U21.16
Net-(K130-PadA1): K130.A1 U21.11
Net-(K131-PadA1): K131.A1 U21.13
Net-(K132-PadA1): K132.A1 U21.12
Net-(K133-PadA1): K133.A1 U21.14
Net-(K134-PadA1): K134.A1 U21.15
Net-(K135-PadA1): K135.A1 U21.18
Net-(K136-PadA1): K136.A1 U21.17
Net-(K137-PadA1): K137.A1 U22.16
Net-(K138-PadA1): K138.A1 U22.11
Net-(K139-PadA1): K139.A1 U22.13
Net-(K140-PadA1): K140.A1 U22.12
Net-(K141-PadA1): K141.A1 U22.14
Net-(K142-PadA1): K142.A1 U22.15
Net-(K143-PadA1): K143.A1 U22.18
Net-(K144-PadA1): K144.A1 U22.17
Net-(K145-PadA1): K145.A1 U23.16
Net-(K146-PadA1): K146.A1 U23.11
Net-(K147-PadA1): K147.A1 U23.13
Net-(K148-PadA1): K148.A1 U23.12
Net-(K149-PadA1): K149.A1 U23.14
Net-(K150-PadA1): K150.A1 U23.15
Net-(K151-PadA1): K151.A1 U23.18
Net-(K152-PadA1): K152.A1 U23.17
Net-(K153-PadA1): K153.A1 U24.16
Net-(K154-PadA1): K154.A1 U24.11
Net-(K155-PadA1): K155.A1 U24.13
Net-(K156-PadA1): K156.A1 U24.12
Net-(K157-PadA1): K157.A1 U24.14
Net-(K158-PadA1): K158.A1 U24.15
Net-(K159-PadA1): K159.A1 U24.18
Net-(K160-PadA1): K160.A1 U24.17
Net-(K161-PadA1): K161.A1 U25.16
Net-(K162-PadA1): K162.A1 U25.11
Net-(K163-PadA1): K163.A1 U25.13
Net-(K164-PadA1): K164.A1 U25.12
Net-(K165-PadA1): K165.A1 U25.14
Net-(K166-PadA1): K166.A1 U25.15
Net-(K167-PadA1): K167.A1 U25.18
Net-(K168-PadA1): K168.A1 U25.17
Net-(K169-PadA1): K169.A1 U26.16
Net-(K170-PadA1): K170.A1 U26.11
Net-(K171-PadA1): K171.A1 U26.13
Net-(K172-PadA1): K172.A1 U26.12
Net-(K173-PadA1): K173.A1 U26.14
Net-(K174-PadA1): K174.A1 U26.15
Net-(K175-PadA1): K175.A1 U26.18
Net-(K176-PadA1): K176.A1 U26.17
Net-(K177-PadA1): K177.A1 U27.16
Net-(K178-PadA1): K178.A1 U27.11
Net-(K179-PadA1): K179.A1 U27.13
Net-(K180-PadA1): K180.A1 U27.12
Net-(K181-PadA1): K181.A1 U27.14
Net-(K182-PadA1): K182.A1 U27.15
Net-(K183-PadA1): K183.A1 U27.18
Net-(K184-PadA1): K184.A1 U27.17
Net-(K185-PadA1): K185.A1 U28.16
Net-(K186-PadA1): K186.A1 U28.11
Net-(K187-PadA1): K187.A1 U28.13
Net-(K188-PadA1): K188.A1 U28.12
Net-(K189-PadA1): K189.A1 U28.14
Net-(K190-PadA1): K190.A1 U28.15
Net-(K191-PadA1): K191.A1 U28.18
Net-(K192-PadA1): K192.A1 U28.17

Pads without a net: J1 1; U1 A3 A4 A5 A6 A7 B2 B3 B4 B5 B6 B7 B8 B9 C2 C3 C4 C5 C6 C7 C8 C9 CC4 CC5 CC6 CC7 D2 D3 D4 D5 D6 D7 D8 D9 E2 E3 E4 E5 E6 E7 E8 E9 F2 F3 F4 F5 F6 F7 F8 F9 G2 G3 G4 G5 G6 G7 G8 G9 H2 H3 H4 H5 H6 H7 H8 H9 J2 J3 J4 J5 J6 J7 J8 J9; U2 A3 A4 A5 A6 A7 B2 B3 B4 B5 B6 B7 B8 B9 C2 C3 C4 C5 C6 C7 C8 C9 CC4 CC5 CC6 CC7 D2 D3 D4 D5 D6 D7 D8 D9 E2 E3 E4 E5 E6 E7 E8 E9 F2 F3 F4 F5 F6 F7 F8 F9 G2 G3 G4 G5 G6 G7 G8 G9 H2 H3 H4 H5 H6 H7 H8 H9 J2 J3 J4 J5 J6 J7 J8 J9; U3 A3 A4 A5 A6 A7 B2 B3 B4 B5 B6 B7 B8 B9 C2 C3 C4 C5 C6 C7 C8 C9 CC4 CC5 CC6 CC7 D2 D3 D4 D5 D6 D7 D8 D9 E2 E3 E4 E5 E6 E7 E8 E9 F2 F3 F4 F5 F6 F7 F8 F9 G2 G3 G4 G5 G6 G7 G8 G9 H2 H3 H4 H5 H6 H7 H8 H9 J2 J3 J4 J5 J6 J7 J8 J9; U4 A3 A4 A5 A6 A7 B2 B3 B4 B5 B6 B7 B8 B9 C2 C3 C4 C5 C6 C7 C8 C9 CC4 CC5 CC6 CC7 D2 D3 D4 D5 D6 D7 D8 D9 E2 E3 E4 E5 E6 E7 E8 E9 F2 F3 F4 F5 F6 F7 F8 F9 G2 G3 G4 G5 G6 G7 G8 G9 H2 H3 H4 H5 H6 H7 H8 H9 J2 J3 J4 J5 J6 J7 J8 J9

## Via types
v1: diameter 0.3, hole 0.1, +12V to AGND, 146 vias
v2: diameter 0.3, hole 0.1, AGND to Bottom, 248 vias
v3: diameter 0.8, hole 0.4, +12V to Bottom, 26 vias
v4: diameter 0.3, hole 0.1, Top to +12V, 240 vias
v5: diameter 0.8, hole 0.4, Top to Bottom, 128 vias
v6: diameter 0.3, hole 0.1, +12V to Bottom, 4 vias
v7: diameter 0.8, hole 0.4, Top to AGND, 29 vias
v8: diameter 0.3, hole 0.1, Top to Bottom, 3 vias
v9: diameter 0.3, hole 0.1, Top to AGND, 3 vias
v10: diameter 0.8, hole 0.4, Top to +12V, 22 vias
v11: diameter 0.8, hole 0.4, +12V to AGND, 39 vias
v12: diameter 0.8, hole 0.4, AGND to Bottom, 17 vias

## Routing (per net, layer and track width the routed paths; a pad name or vN(x,y) marks a point on that pad's centre or on a via; arc(x,y) is an arc through that point)
IO1: length 455
  +12V w0.2: K143.11 32.51,445.77 32,445.26 32,418.85 33.02,417.83 31.39,416.2 31.39,391.92 33.27,390.04 42.5,390.04 v1(48.49,384.05)
  AGND w0.2: v2(38.35,240.63) 38.35,235.4 v2(37.59,234.64) ; v2(35.36,234.55) 35.18,234.37 35.18,234.25 31.7,230.76 v2(30.48,230.76) ; v2(53.4,377.29) 53.4,379.14 v1(48.49,384.05) ; v2(27.69,155.19) 29.21,156.72 29.21,195.13 28.67,195.13 28.26,195.54 28.26,196.12 28.67,196.53 29.21,196.53 29.21,223.01 v2(29.21,223.01) ; v2(29.15,150.56) 29.15,144.84 31,142.99 31,104.12 v2(31.24,103.89) ; v2(54.04,358.33) 53.89,358.18 53.89,354.81 54.29,354.4 54.29,353.7 54.43,353.57 54.43,343.79 53.89,343.25 53.89,332.9 54.71,332.07 54.64,332.07 54.15,331.57 54.15,330.86 54.64,330.37 55.35,330.37 55.85,330.86 55.85,330.93 56.5,331.58 56.5,326.03 50.83,320.36 50.83,320.02 50.78,319.97 50.78,319.27 51.28,318.77 51.92,318.77 51.92,302.98 52.58,302.32 52.58,297.94 v2(51.31,296.67) 51.31,296.36 52.32,295.34 52.32,295.12 52.61,294.84 52.68,294.84 52.94,294.57 52.94,294.31 52.96,294.33 53.33,294.33 53.59,294.06 53.59,293.69 53.33,293.43 53.26,293.43 52.8,292.97 52.8,292.19 52.72,292.11 52.72,291.31 53.49,290.54 53.49,289.96 53.55,289.91 53.55,289.21 53.49,289.15 53.49,287.94 53.55,287.88 53.55,284.64 52.22,283.31 52.22,273.21 53.58,271.84 53.58,258.05 43.28,247.75 v2(40.64,247.75)
  Bottom w0.2: 30.23,223.52 28.96,224.79 28.96,229.36 30.36,230.76 v2(30.48,230.76) ; 30.23,223.52 29.72,223.01 v2(29.21,223.01) ; 30.23,223.52 K79.11 ; U1.U5 34.29,296.67 v2(51.31,296.67) ; v2(35.36,234.55) 35.39,234.58 35.82,234.58 36.08,234.32 36.08,234.25 36.25,234.08 37.03,234.08 v2(37.59,234.64) ; K15.11 30.99,62.23 29.97,63.25 29.97,94.94 31.24,96.21 v2(31.24,103.89) ; v2(38.35,240.63) 38.35,246.89 39.21,247.75 v2(40.64,247.75) ; v2(27.69,155.19) 29.15,153.73 v2(29.15,150.56) ; v2(54.04,358.33) 53.4,358.97 v2(53.4,377.29)
